# Altium PCB POETIC_Processor_V2a.PcbDoc (part 3 of 3)
Units mm, origin at the board's own origin, x right, y up, seen from the top; angles counter-clockwise.
Board outline 160 x 100 mm, 4 copper layers (Top Layer, VCC, GND, Bottom Layer), stack 1.64 mm thick; 369 components, 395 nets, 1427 pads, 370 vias.
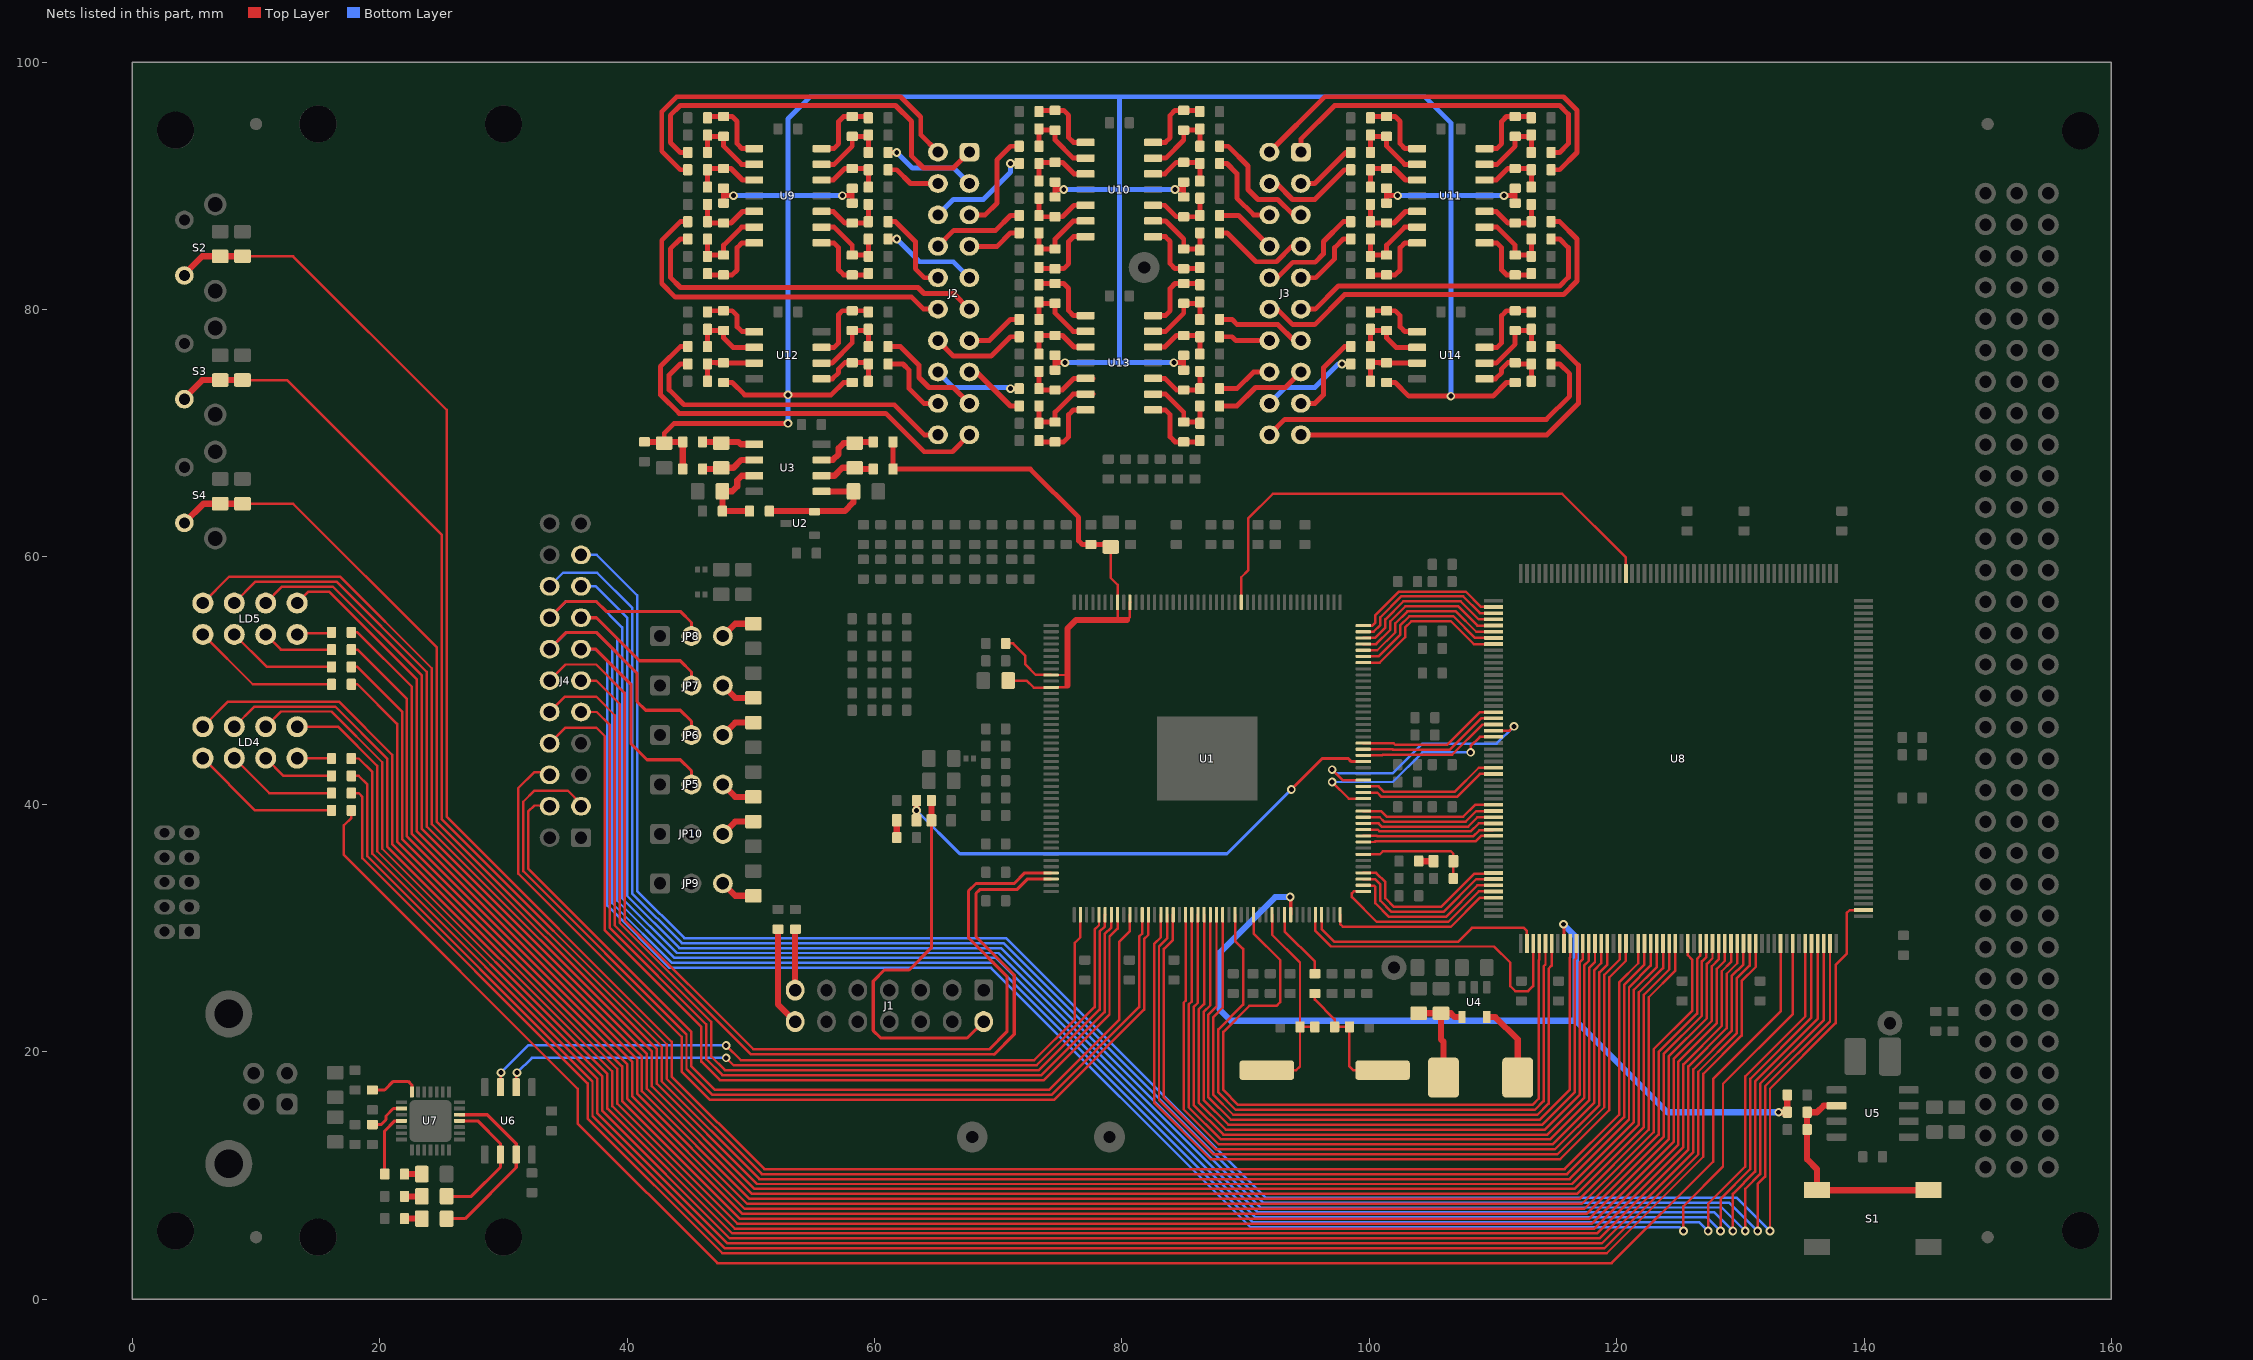
[diagram p5: the nets of this part, all layers, seen from the top]

## Via types
v1: diameter 0.7, hole 0.4, Top Layer to Bottom Layer, tented both sides, 328 vias
v2: diameter 0.7, hole 0.3, Top Layer to Bottom Layer, tented both sides, 42 vias

## Nets (pads, with @x,y where several pads share a name; then routed paths per layer and width w, separated by ;. In a path a pad name is that pad's centre, name@x,y a point inside that pad or via, vN(x,y) a via of type N, cw(c..) or ccw(c..) an arc to the next point about the centre after c; other vN are vias at no path point) (continued)
GPIO44: U1.113 U8.58 | length 56.1
  Top Layer w0.2: U1.113@88.15,31.075 88.15,23.55 87.4,22.8 87.4,16.5 89,14.9 113.6,14.9 114.5,15.8 114.5,26.7 114.75,26.95 U8.58@114.75,28.75
GPIO45: U1.115 U8.57 | length 55.5
  Top Layer w0.2: U1.115@89.15,31.075 89.15,28.95 89.8,28.3 89.8,23.8 87.8,21.8 87.8,16.7 89.2,15.3 113.4,15.3 114.1,16 114.1,26.9 114.25,27.05 U8.57@114.25,28.75
GPIO46: U1.128 U8.55 | length 25.7
  Top Layer w0.2: U1.128@95.65,31.075 95.65,29.768 96.918,28.5 110.1,28.5 111.4,27.2 111.4,25.3 111.8,24.9 112.85,24.9 113.25,25.3 U8.55@113.25,28.75
GPIO47: U1.129 U8.54 | length 19.7
  Top Layer w0.2: U1.129@96.15,31.075 96.15,29.905 97.155,28.9 107.2,28.9 108.3,30 112.5,30 112.75,29.75 U8.54@112.75,28.75
GPIO58: U1.103 U8.70 | length 69.8
  Top Layer w0.2: U1.103@83.15,31.075 83.15,29.25 82.6,28.7 82.6,15.876 87.176,11.3 115.424,11.3 119.4,15.276 119.4,26 120.75,27.35 U8.70@120.75,28.75
GPIO59: U1.104 U8.69 | length 68.4
  Top Layer w0.2: U1.104@83.65,31.075 83.65,29.15 83,28.5 83,16.1 87.4,11.7 115.2,11.7 119,15.5 119,26.2 120.25,27.45 U8.69@120.25,28.75
GPIO60: U1.105 U8.67 | length 66.8
  Top Layer w0.2: U1.105@84.15,31.075 84.125,31.05 84.125,29.025 83.4,28.3 83.4,16.3 87.6,12.1 115,12.1 118.6,15.7 118.6,26.4 119.25,27.05 U8.67@119.25,28.75
GPIO61: U1.107 U8.66 | length 64.7
  Top Layer w0.2: U1.107@85.15,31.075 85.15,24.116 85,23.966 85,15.334 87.834,12.5 114.8,12.5 118.2,15.9 118.2,26.6 118.75,27.15 U8.66@118.75,28.75
GPIO62: U1.108 U8.65 | length 63.3
  Top Layer w0.2: U1.108@85.65,31.075 85.65,24.05 85.4,23.8 85.4,15.5 88,12.9 114.6,12.9 117.8,16.1 117.8,26.8 118.25,27.25 U8.65@118.25,28.75
GPIO63: U1.109 U8.64 | length 62
  Top Layer w0.2: U1.109@86.15,31.075 86.15,23.95 85.8,23.6 85.8,15.7 88.2,13.3 114.4,13.3 117.4,16.3 117.4,27 117.75,27.35 U8.64@117.75,28.75
GPIO64: U1.110 U8.63 | length 60.6
  Top Layer w0.2: U1.110@86.65,31.075 86.65,23.85 86.2,23.4 86.2,15.9 88.4,13.7 114.2,13.7 117,16.5 117,27.2 117.25,27.45 U8.63@117.25,28.75
GPIO65: U1.111 U8.62 | length 59.2
  Top Layer w0.2: U1.111@87.15,31.075 87.15,23.75 86.6,23.2 86.6,16.1 88.6,14.1 114,14.1 116.6,16.7 116.6,27.4 116.75,27.55 U8.62@116.75,28.75
GPIO66: U1.112 U8.61 | length 57.9
  Top Layer w0.2: U1.112@87.65,31.075 87.65,23.65 87,23 87,16.3 88.8,14.5 113.8,14.5 116.2,16.9 116.2,27.5 116.2,27.566 116.25,27.616 U8.61@116.25,28.75
GPIO67: U1.132 U8.49 | length 14.2
  Top Layer w0.2: U1.132@97.65,31.075 97.65,30.314 97.864,30.1 106.6,30.1 108.95,32.45 U8.49@110.05,32.45
GPIO68: U1.133 U8.48 | length 14.6
  Top Layer w0.2: U1.133@99.525,32.95 98.75,32.95 98.6,32.8 98.6,32.5 100.6,30.5 106.4,30.5 108.85,32.95 U8.48@110.05,32.95
GPIO69: U1.134 U8.47 | length 13.4
  Top Layer w0.2: U1.134@99.525,33.45 99.55,33.425 100.375,33.425 100.5,33.3 100.5,32 101.6,30.9 106.2,30.9 108.75,33.45 U8.47@110.05,33.45
GPIO70: U1.135 U8.46 | length 13.5
  Top Layer w0.2: U1.135@99.525,33.95 100.45,33.95 100.9,33.5 100.9,32.2 101.8,31.3 106,31.3 108.65,33.95 U8.46@110.05,33.95
GPIO71: U1.136 U8.45 | length 13.6
  Top Layer w0.2: U1.136@99.525,34.45 100.55,34.45 101.3,33.7 101.3,32.4 102,31.7 105.8,31.7 108.5,34.4 110,34.4 U8.45@110.05,34.45
GPIO72: JP2.2 R5.2 U1.139 | length 9.5
  Top Layer w0.2: U1.139@99.525,35.95 100.85,35.95 101.1,36.2 106.6,36.2 106.8,36 JP2.2@106.8,35.4 R5.2@106.8,34
GPIO74: U1.141 U8.39 | length 10.7
  Top Layer w0.2: U1.141@99.525,36.95 100.45,36.95 100.5,37 108.6,37 109.05,37.45 U8.39@110.05,37.45
GPIO75: U1.142 U8.38 | length 10.8
  Top Layer w0.2: U1.142@99.525,37.45 100.619,37.45 100.669,37.4 108.4,37.4 108.9,37.9 110,37.9 U8.38@110.05,37.95
GPIO76: U1.143 U8.37 | length 10.9
  Top Layer w0.2: U1.143@99.525,37.95 100.684,37.95 100.834,37.8 108.2,37.8 108.85,38.45 U8.37@110.05,38.45
GPIO77: U1.144 U8.36 | length 10.9
  Top Layer w0.2: U1.144@99.525,38.45 100.75,38.45 101,38.2 108,38.2 108.75,38.95 U8.36@110.05,38.95
GPIO78: U1.145 U8.35 | length 11
  Top Layer w0.2: U1.145@99.525,38.95 100.85,38.95 101.2,38.6 107.8,38.6 108.65,39.45 U8.35@110.05,39.45
GPIO79: U1.146 U8.34 | length 11.1
  Top Layer w0.2: U1.146@99.525,39.45 100.95,39.45 101.4,39 107.6,39 108.55,39.95 U8.34@110.05,39.95
GPIO80: U1.148 U8.23 | length 17.9
  Top Layer w0.2: v1(97,41.8) 98.35,40.45 U1.148@99.525,40.45 ; v1(108.2,44.2) 108.2,44.7 108.95,45.45 U8.23@110.05,45.45
  Bottom Layer w0.2: v1(97,41.8) 101.9,41.8 104.3,44.2 v1(108.2,44.2)
GPIO81: U1.149 U8.29 | length 11.4
  Top Layer w0.2: U1.149@99.525,40.95 100.65,40.95 101,40.6 107.1,40.6 108.95,42.45 U8.29@110.05,42.45
GPIO82: U1.150 U8.28 | length 11.5
  Top Layer w0.2: U1.150@99.525,41.45 100.75,41.45 101.2,41 106.9,41 108.85,42.95 U8.28@110.05,42.95
GPIO83: U1.151 U8.22 | length 21.1
  Top Layer w0.2: v1(97,42.8) 97.85,41.95 U1.151@99.525,41.95 ; U8.22@110.05,45.95 111.35,45.95 v1(111.7,46.3)
  Bottom Layer w0.2: v1(97,42.8) 97.3,42.5 101.89,42.5 104.29,44.9 110.3,44.9 v1(111.7,46.3)
GPIO84: JP1.2 R6.2 U1.154 | length 42.5
  Top Layer w0.25: v1(93.7,41.2) 96.2,43.7 98.3,43.7 98.55,43.45 U1.154@99.525,43.45
  Top Layer w0.5: JP1.2@63.4,38.7 v1(63.4,39.5) R6.2@63.4,40.3
  Bottom Layer w0.25: v1(63.4,39.5) 66.9,36 88.5,36 v1(93.7,41.2)
GPIO85: U1.155 U8.21 | length 11.6
  Top Layer w0.2: U1.155@99.525,43.95 101.05,43.95 101.1,44 106.7,44 109.15,46.45 U8.21@110.05,46.45
GPIO86: U1.156 U8.20 | length 11.6
  Top Layer w0.2: U1.156@99.525,44.45 101.884,44.45 101.934,44.4 106.5,44.4 109.05,46.95 U8.20@110.05,46.95
GPIO87: U1.157 U8.19 | length 11.7
  Top Layer w0.2: U1.157@99.525,44.95 101.95,44.95 102.1,44.8 106.3,44.8 108.95,47.45 U8.19@110.05,47.45
GPIO88: U1.170 U8.8 | length 13.1
  Top Layer w0.2: U1.170@99.525,51.45 100.85,51.45 102.9,53.5 102.9,54.29 103.41,54.8 106.6,54.8 108.45,52.95 U8.8@110.05,52.95
GPIO89: U1.171 U8.7 | length 13
  Top Layer w0.2: U1.171@99.525,51.95 100.75,51.95 102.5,53.7 102.5,54.456 103.244,55.2 106.8,55.2 108.55,53.45 U8.7@110.05,53.45
GPIO90: U1.172 U8.6 | length 12.9
  Top Layer w0.2: U1.172@99.525,52.45 100.65,52.45 102.1,53.9 102.1,54.621 103.079,55.6 107,55.6 108.65,53.95 U8.6@110.05,53.95
GPIO91: U1.173 U8.5 | length 12.8
  Top Layer w0.2: U1.173@99.525,52.95 100.55,52.95 101.7,54.1 101.7,54.787 102.913,56 107.2,56 108.75,54.45 U8.5@110.05,54.45
GPIO92: U1.174 U8.4 | length 12.7
  Top Layer w0.2: U1.174@99.525,53.45 100.45,53.45 101.3,54.3 101.3,54.953 102.747,56.4 107.4,56.4 108.85,54.95 U8.4@110.05,54.95
GPIO93: U1.175 U8.3 | length 12.7
  Top Layer w0.2: U1.175@99.55,53.975 U1.175@99.525,53.95 100.35,53.95 100.9,54.5 100.9,55.118 102.582,56.8 107.6,56.8 108.95,55.45 U8.3@110.05,55.45
GPIO94: U1.176 U8.2 | length 12.5
  Top Layer w0.2: U1.176@99.525,54.45 100.25,54.45 100.5,54.7 100.5,55.3 102.4,57.2 107.8,57.2 109.05,55.95 U8.2@110.05,55.95
GPIO99: U1.17 U8.191 | length 41.8
  Top Layer w0.2: U1.17@89.65,56.325 89.65,58.35 90.2,58.9 90.2,63.1 92.2,65.1 115.6,65.1 120.75,59.95 U8.191@120.75,58.65
GPIO133: U1.118 U8.56 | length 57
  Top Layer w0.2: U1.118@90.65,31.075 90.65,29.55 92.8,27.4 92.8,24 92.5,23.7 90.3,23.7 88.2,21.6 88.2,16.9 89.4,15.7 113.2,15.7 113.7,16.2 113.7,27.4 113.75,27.45 U8.56@113.75,28.75
JTAG_TRST: J1.2 JP3.1 R3.2 | length 31.2
  Top Layer w0.25: JP3.1@64.6,38.7 64.6,28.4 62.8,26.6 60.8,26.6 59.9,25.7 59.9,21.7 60.5,21.1 67.49,21.1 J1.2@68.82,22.43
  Top Layer w0.5: JP3.1@64.6,38.9 R3.2@64.6,40.3
LED1_0_GREEN: R39.1 U8.89 | length 151.8
  Top Layer w0.2: R39.1@17.7,43.7 18.3,43.7 19.4,42.6 19.4,36 37.6,17.8 37.6,15 48.1,4.5 118.8,4.5 126.2,11.9 126.2,18.576 129.3,21.676 129.3,21.7 129.3,26.1 130.25,27.05 U8.89@130.25,28.75
LED1_0_RED: LD4.8 U8.88 | length 156.6
  Top Layer w0.2: LD4.8@13.32,46.271 16.629,46.271 19.8,43.1 19.8,36.2 38,18 38,15.2 48.3,4.9 118.6,4.9 125.8,12.1 125.8,18.8 128.9,21.9 128.9,26.3 129.75,27.15 U8.88@129.75,28.75
LED1_1_GREEN: R41.1 U8.90 | length 151.7
  Top Layer w0.2: R41.1@17.7,42.3 18.3,42.3 19,41.6 19,35.8 37.2,17.6 37.2,14.8 47.9,4.1 119,4.1 126.6,11.7 126.6,18.376 129.7,21.476 ; 129.7,21.5 129.7,21.476 ; U8.90@130.75,28.75 130.75,26.95 129.7,25.9 129.7,21.476
LED1_1_RED: LD4.6 U8.87 | length 159.3
  Top Layer w0.2: LD4.6@10.78,46.27 12.01,47.5 16.1,47.5 20.2,43.4 20.2,36.4 38.4,18.2 38.4,15.4 48.5,5.3 118.4,5.3 125.4,12.3 125.4,18.976 128.5,22.076 128.5,26.5 129.25,27.25 U8.87@129.25,28.75
LED1_2_GREEN: R43.1 U8.91 | length 151.5
  Top Layer w0.2: R43.1@17.7,40.9 18.3,40.9 18.6,40.6 18.6,37.966 18.6,35.634 36.8,17.434 36.8,14.6 47.7,3.7 119.2,3.7 127,11.5 127,18.2 130.1,21.3 130.1,25.7 131.25,26.85 U8.91@131.25,28.75
LED1_2_RED: LD4.4 U8.86 | length 161.3
  Top Layer w0.2: LD4.4@8.24,46.27 9.87,47.9 16.4,47.9 20.6,43.7 20.6,36.6 38.8,18.4 38.8,15.6 48.7,5.7 118.2,5.7 125,12.5 125,19.2 128.1,22.3 128.1,26.7 128.75,27.35 U8.86@128.75,28.75
LED1_3_GREEN: R45.1 U8.95 | length 153.2
  Top Layer w0.2: R45.1@17.7,39.5 17.7,38.9 17.1,38.3 17.1,35.9 36,17 36,14.2 47.3,2.9 119.6,2.9 127.8,11.1 127.8,17.8 133.25,23.25 U8.95@133.25,28.75
LED1_3_RED: LD4.2 U8.85 | length 163.4
  Top Layer w0.2: LD4.2@5.7,46.27 7.73,48.3 16.7,48.3 21,44 21,36.8 39.2,18.6 39.2,15.8 48.9,6.1 118,6.1 124.6,12.7 124.6,19.4 127.7,22.5 127.7,26.9 128.25,27.45 U8.85@128.25,28.75
LED2_0_GREEN: R40.1 U8.80 | length 152.1
  Top Layer w0.2: R40.1@17.7,53.9 18.2,53.9 22.6,49.5 22.6,37.6 40.8,19.4 40.8,16.6 49.7,7.7 117.2,7.7 123,13.5 123,20.2 126.1,23.3 126.1,27.45 125.75,27.8 U8.80@125.75,28.75
LED2_0_RED: LD5.8 U8.78 | length 157.1
  Top Layer w0.2: LD5.8@13.32,56.27 14.25,57.2 15.9,57.2 23,50.1 23,37.8 41.2,19.6 41.2,16.8 49.9,8.1 117,8.1 122.6,13.7 122.6,24.4 124.75,26.55 U8.78@124.75,28.75
LED2_1_GREEN: R42.1 U8.82 | length 151.9
  Top Layer w0.2: R42.1@17.7,52.5 18.2,52.5 22.2,48.5 22.2,37.4 40.4,19.2 40.4,16.4 49.5,7.3 117.4,7.3 123.4,13.3 123.4,19.976 126.5,23.076 126.5,27.5 126.75,27.75 U8.82@126.75,28.75
LED2_1_RED: LD5.6 U8.77 | length 159.1
  Top Layer w0.2: LD5.6@10.78,56.27 12.11,57.6 16.2,57.6 23.4,50.4 23.4,38 41.6,19.8 41.6,17 50.1,8.5 116.8,8.5 122.2,13.9 122.2,24.6 124.25,26.65 U8.77@124.25,28.75
LED2_2_GREEN: R44.1 U8.83 | length 151.7
  Top Layer w0.2: R44.1@17.7,51.1 18.2,51.1 21.8,47.5 21.8,37.2 40,19 40,16.2 49.3,6.9 117.6,6.9 123.8,13.1 123.8,19.8 126.9,22.9 126.9,27.3 127.25,27.65 U8.83@127.25,28.75
LED2_2_RED: LD5.4 U8.76 | length 161.2
  Top Layer w0.2: LD5.4@8.24,56.27 9.97,58 16.5,58 23.8,50.7 23.8,38.2 42,20 42,17.2 50.3,8.9 116.6,8.9 121.8,14.1 121.8,24.8 123.75,26.75 U8.76@123.75,28.75
LED2_3_GREEN: R46.1 U8.84 | length 151.6
  Top Layer w0.2: R46.1@17.7,49.7 18.2,49.7 21.4,46.5 21.4,37 39.6,18.8 39.6,16 49.1,6.5 117.8,6.5 124.2,12.9 124.2,19.6 127.3,22.7 127.3,27.1 127.75,27.55 U8.84@127.75,28.75
LED2_3_RED: LD5.2 U8.75 | length 163.2
  Top Layer w0.2: LD5.2@5.7,56.27 7.83,58.4 16.8,58.4 24.2,51 24.2,38.4 42.4,20.2 42.4,17.4 50.5,9.3 116.4,9.3 121.4,14.3 121.4,25 123.25,26.85 U8.75@123.25,28.75
MEAS_0_MINUS: J2.1 R49.1 | length 32.7
  Top Layer w0.4: R49.1@44.9,92.7 44.3,92.7 43.5,93.5 43.5,95.7 44.3,96.5 61.7,96.5 63,95.2 63,92.4 63.96,91.44 66.38,91.44 J2.1@67.67,92.73
MEAS_0_PLUS: J2.2 R53.1 | length 31.4
  Top Layer w0.4: R53.1@44.9,91.3 44.3,91.3 42.8,92.8 42.8,96 44,97.2 62.1,97.2 63.74,95.56 63.74,94.12 J2.2@65.13,92.73
MEAS_1_MINUS: J2.3 R61.1 | length 7.6
  Top Layer w0.4: R61.1@61.1,92.7 v1(61.8,92.7)
  Bottom Layer w0.4: v1(61.8,92.7) 63.06,91.44 66.42,91.44 J2.3@67.67,90.19
MEAS_1_PLUS: J2.4 R65.1 | length 4.5
  Top Layer w0.4: R65.1@61.1,91.3 61.8,91.3 62.91,90.19 J2.4@65.13,90.19
MEAS_2_MINUS: J2.5 R73.1 | length 8.4
  Top Layer w0.4: J2.5@67.67,87.65 68.95,87.65 69.9,88.6 69.9,92.1 71,93.2 R73.1@71.7,93.2
MEAS_2_PLUS: J2.6 R77.1 | length 8.7
  Top Layer w0.4: v1(71,91.8) R77.1@71.7,91.8
  Bottom Layer w0.4: J2.6@65.13,87.65 66.38,88.9 68.8,88.9 71,91.1 v1(71,91.8)
MEAS_3_MINUS: J2.7 R85.1 | length 4.5
  Top Layer w0.4: J2.7@67.67,85.11 69.91,85.11 71,86.2 R85.1@71.7,86.2
MEAS_3_PLUS: J2.8 R89.1 | length 7.6
  Top Layer w0.4: J2.8@65.13,85.11 66.42,86.4 69.8,86.4 71,87.6 R89.1@71.7,87.6
MEAS_4_MINUS: J2.9 R50.1 | length 7.9
  Top Layer w0.4: R50.1@61.1,85.7 v1(61.8,85.7)
  Bottom Layer w0.4: v1(61.8,85.7) 63.64,83.86 66.38,83.86 J2.9@67.67,82.57
MEAS_4_PLUS: J2.10 R54.1 | length 7.2
  Top Layer w0.4: R54.1@61.1,87.1 61.7,87.1 63.3,85.5 63.3,83.3 64.03,82.57 J2.10@65.13,82.57
MEAS_5_MINUS: J2.11 R62.1 | length 29.3
  Top Layer w0.4: R62.1@44.9,85.7 44.3,85.7 43.5,84.9 43.5,82.6 44.32,81.78 63.52,81.78 64,81.3 66.4,81.3 J2.11@67.67,80.03
MEAS_5_PLUS: J2.12 R66.1 | length 29.4
  Top Layer w0.4: R66.1@44.9,87.1 44.3,87.1 42.8,85.6 42.8,82.1 43.9,81 63,81 63.97,80.03 J2.12@65.13,80.03
MEAS_6_MINUS: J2.13 R74.1 | length 4.7
  Top Layer w0.4: J2.13@67.67,77.49 69.29,77.49 71,79.2 R74.1@71.7,79.2
MEAS_6_PLUS: J2.14 R78.1 | length 7.7
  Top Layer w0.4: J2.14@65.13,77.49 66.38,76.24 69.44,76.24 71,77.8 R78.1@71.7,77.8
MEAS_7_MINUS: J2.15 R86.1 | length 5.2
  Top Layer w0.4: J2.15@67.67,74.95 68.25,74.95 71,72.2 R86.1@71.7,72.2
MEAS_7_PLUS: J2.16 R90.1 | length 7.1
  Top Layer w0.4: v1(71,73.6) R90.1@71.7,73.6
  Bottom Layer w0.4: J2.16@65.13,74.95 66.38,73.7 70.9,73.7 v1(71,73.6)
MEAS_8_MINUS: J2.17 R97.1 | length 9.1
  Top Layer w0.4: R97.1@61.1,77 62.1,77 63.6,75.5 63.6,74.5 64.4,73.7 66.38,73.7 J2.17@67.67,72.41
MEAS_8_PLUS: J2.18 R101.1 | length 6.2
  Top Layer w0.4: R101.1@61.1,75.6 62.3,75.6 62.8,75.1 62.8,73.6 63.99,72.41 J2.18@65.13,72.41
MEAS_9_MINUS: J2.19 R109.1 | length 32.6
  Top Layer w0.4: R109.1@44.9,77 44.3,77 42.7,75.4 42.7,73.1 44.2,71.6 60.91,71.6 64.01,68.5 66.3,68.5 J2.19@67.67,69.87
MEAS_9_PLUS: J2.20 R113.1 | length 26.3
  Top Layer w0.4: R113.1@44.9,75.6 44.3,75.6 43.4,74.7 43.4,73.5 44.6,72.3 61.6,72.3 64.03,69.87 J2.20@65.13,69.87
MEAS_10_MINUS: J3.1 R121.1 | length 28.2
  Top Layer w0.4: J3.1@94.47,92.73 94.47,93.77 97.2,96.5 115.4,96.5 116.1,95.8 116.1,93.4 115.4,92.7 R121.1@114.7,92.7
MEAS_10_PLUS: J3.2 R125.1 | length 33.3
  Top Layer w0.4: J3.2@91.93,92.73 96.4,97.2 115.7,97.2 116.8,96.1 116.8,92.7 115.4,91.3 R125.1@114.7,91.3
MEAS_11_MINUS: J3.3 R133.1 | length 5.1
  Top Layer w0.4: J3.3@94.47,90.19 95.59,90.19 98.1,92.7 R133.1@98.5,92.7
MEAS_11_PLUS: J3.4 R137.1 | length 8.1
  Top Layer w0.4: J3.4@91.93,90.19 92.51,90.19 93.8,88.9 95.6,88.9 98,91.3 R137.1@98.5,91.3
MEAS_12_MINUS: J3.5 R98.1 | length 10
  Top Layer w0.4: R98.1@87.9,93.2 88.6,93.2 90.2,91.6 90.2,89.7 91,88.9 92.6,88.9 93.85,87.65 J3.5@94.47,87.65
MEAS_12_PLUS: J3.6 R102.1 | length 6.9
  Top Layer w0.4: R102.1@87.9,91.8 88.5,91.8 89.3,91 89.3,89 90.65,87.65 J3.6@91.93,87.65
MEAS_13_MINUS: J3.7 R110.1 | length 8.1
  Top Layer w0.4: R110.1@87.9,86.2 88.5,86.2 90.84,83.86 92.498,83.86 93.748,85.11 J3.7@94.47,85.11
MEAS_13_PLUS: J3.8 R114.1 | length 5.1
  Top Layer w0.4: R114.1@87.9,87.6 89.44,87.6 J3.8@91.93,85.11
MEAS_14_MINUS: J3.9 R122.1 | length 5.9
  Top Layer w0.4: J3.9@94.47,82.57 95.67,82.57 97.2,84.1 97.2,85 97.9,85.7 R122.1@98.5,85.7
MEAS_14_PLUS: J3.10 R126.1 | length 9
  Top Layer w0.4: J3.10@91.93,82.57 92.57,82.57 93.82,83.82 95.62,83.82 96.3,84.5 96.3,85.5 97.9,87.1 R126.1@98.5,87.1
MEAS_15_MINUS: J3.11 R134.1 | length 26.8
  Top Layer w0.4: J3.11@94.47,80.03 95.63,80.03 97.5,81.9 115.4,81.9 116.1,82.6 116.1,85 115.4,85.7 R134.1@114.7,85.7
MEAS_15_PLUS: J3.12 R138.1 | length 32.9
  Top Layer w0.4: J3.12@91.93,80.03 92.57,80.03 93.82,78.78 95.58,78.78 98,81.2 115.7,81.2 116.8,82.3 116.8,85.7 115.4,87.1 R138.1@114.7,87.1
MEAS_16_MINUS: J3.13 R144.1 | length 7.3
  Top Layer w0.4: R144.1@87.9,79.2 88.9,79.2 89.32,78.78 92.62,78.78 93.91,77.49 J3.13@94.47,77.49
MEAS_16_PLUS: J3.14 R146.1 | length 4.2
  Top Layer w0.4: R146.1@87.9,77.8 88.9,77.8 89.21,77.49 J3.14@91.93,77.49
MEAS_17_MINUS: J3.15 R150.1 | length 7.7
  Top Layer w0.4: R150.1@87.9,72.2 89.3,72.2 90.8,73.7 93.22,73.7 J3.15@94.47,74.95
MEAS_17_PLUS: J3.16 R152.1 | length 4.6
  Top Layer w0.4: R152.1@87.9,73.6 89.3,73.6 90.65,74.95 J3.16@91.93,74.95
MEAS_18_MINUS: J3.17 R156.1 | length 7.2
  Top Layer w0.4: J3.17@94.47,72.41 95.61,72.41 96.3,73.1 96.3,75.3 98,77 R156.1@98.5,77
MEAS_18_PLUS: J3.18 R158.1 | length 7.9
  Top Layer w0.4: v1(97.8,75.6) R158.1@98.5,75.6
  Bottom Layer w0.4: J3.18@91.93,72.41 93.22,73.7 95.6,73.7 97.5,75.6 v1(97.8,75.6)
MEAS_19_MINUS: J3.19 R162.1 | length 29.4
  Top Layer w0.4: J3.19@94.47,69.87 114.37,69.87 116.9,72.4 116.9,75.5 115.4,77 R162.1@114.7,77
MEAS_19_PLUS: J3.20 R164.1 | length 29.2
  Top Layer w0.4: J3.20@91.93,69.87 93.18,71.12 114.32,71.12 116.2,73 116.2,74.802 115.402,75.6 R164.1@114.7,75.6
NetC1_2: C1.2 R7.1 R8.2 X1.2 | length 10.6
  Top Layer w0.2: R7.1@95.6,24.7 95.6,24.2 97.2,22.6 R8.2@97.2,22 C1.2@98.4,22 98.4,18.8 98.7,18.5 X1.2@101.075,18.5
NetC2_2: C2.2 R8.1 U1.121 X1.1 | length 17.2
  Top Layer w0.2: X1.1@91.725,18.5 94.1,18.5 94.4,18.8 C2.2@94.4,22 ; U1.121@92.15,31.075 92.15,29.45 94.4,27.2 94.4,22.7 C2.2@94.4,22 ; R8.1@95.6,22 C2.2@94.4,22
NetC41_2: C41.2 R18.2 U2.2 U3.5 | length 10.6
  Top Layer w0.5: R18.2@51.5,63.7 57.6,63.7 58.3,64.4 C41.2@58.3,65.295 U3.5@55.725,65.295
NetC45_1: C45.1 R14.2 U3.6 | length 4.5
  Top Layer w0.5: U3.6@55.725,66.565 56.765,66.565 57.4,67.2 C45.1@58.4,67.2 58.5,67.1 R14.2@59.9,67.1
NetC45_2: C45.2 R12.2 U3.7 | length 5.1
  Top Layer w0.5: U3.7@55.725,67.835 56.635,67.835 57.1,68.3 57.1,68.8 57.5,69.2 C45.2@58.4,69.2 58.5,69.3 R12.2@59.9,69.3
NetC54_1: C54.1 R22.2 U3.2 | length 4.5
  Top Layer w0.5: R22.2@46.1,67.1 47.5,67.1 C54.1@47.6,67.2 48.6,67.2 49.235,67.835 U3.2@50.275,67.835
NetC54_2: C54.2 R19.2 U3.1 | length 4.3
  Top Layer w0.5: R19.2@46.1,69.3 49,69.3 49.195,69.105 U3.1@50.275,69.105
NetC55_2: C55.2 R18.1 R21.1 U3.3 | length 7.2
  Top Layer w0.5: R18.1@49.9,63.7 R21.1@47.7,63.7 C55.2@47.7,65.3 48.5,65.3 48.9,65.7 48.9,66.2 49.265,66.565 U3.3@50.275,66.565
NetC57_2: C57.2 L1.2 L2.1 U4.4 | length 8.9
  Top Layer w0.5: L2.1@104,23.1 C57.2@105.8,23.1 ; L1.2@106,17.9 106,20.8 105.8,21 C57.2@105.8,23.1 ; U4.4@107.5,22.8 106.9,22.8 106.6,23.1 C57.2@105.8,23.1
NetC88_1: C88.1 R51.1 U9.1 | length 5.9
  Top Layer w0.4: R51.1@46.5,95.5 46.6,95.6 C88.1@47.8,95.6 48.5,95.6 48.9,95.2 48.9,93.4 49.29,93.01 U9.1@50.275,93.01
NetC88_2: C88.2 R47.1 R49.2 U9.2 | length 6.6
  Top Layer w0.4: R49.2@46.5,92.7 R47.1@46.5,94.1 46.6,94 C88.2@47.8,94 47.8,93.2 49.26,91.74 U9.2@50.275,91.74